# Altium PCB BMS.Pcb.PcbDoc (part 2 of 3) (continued)
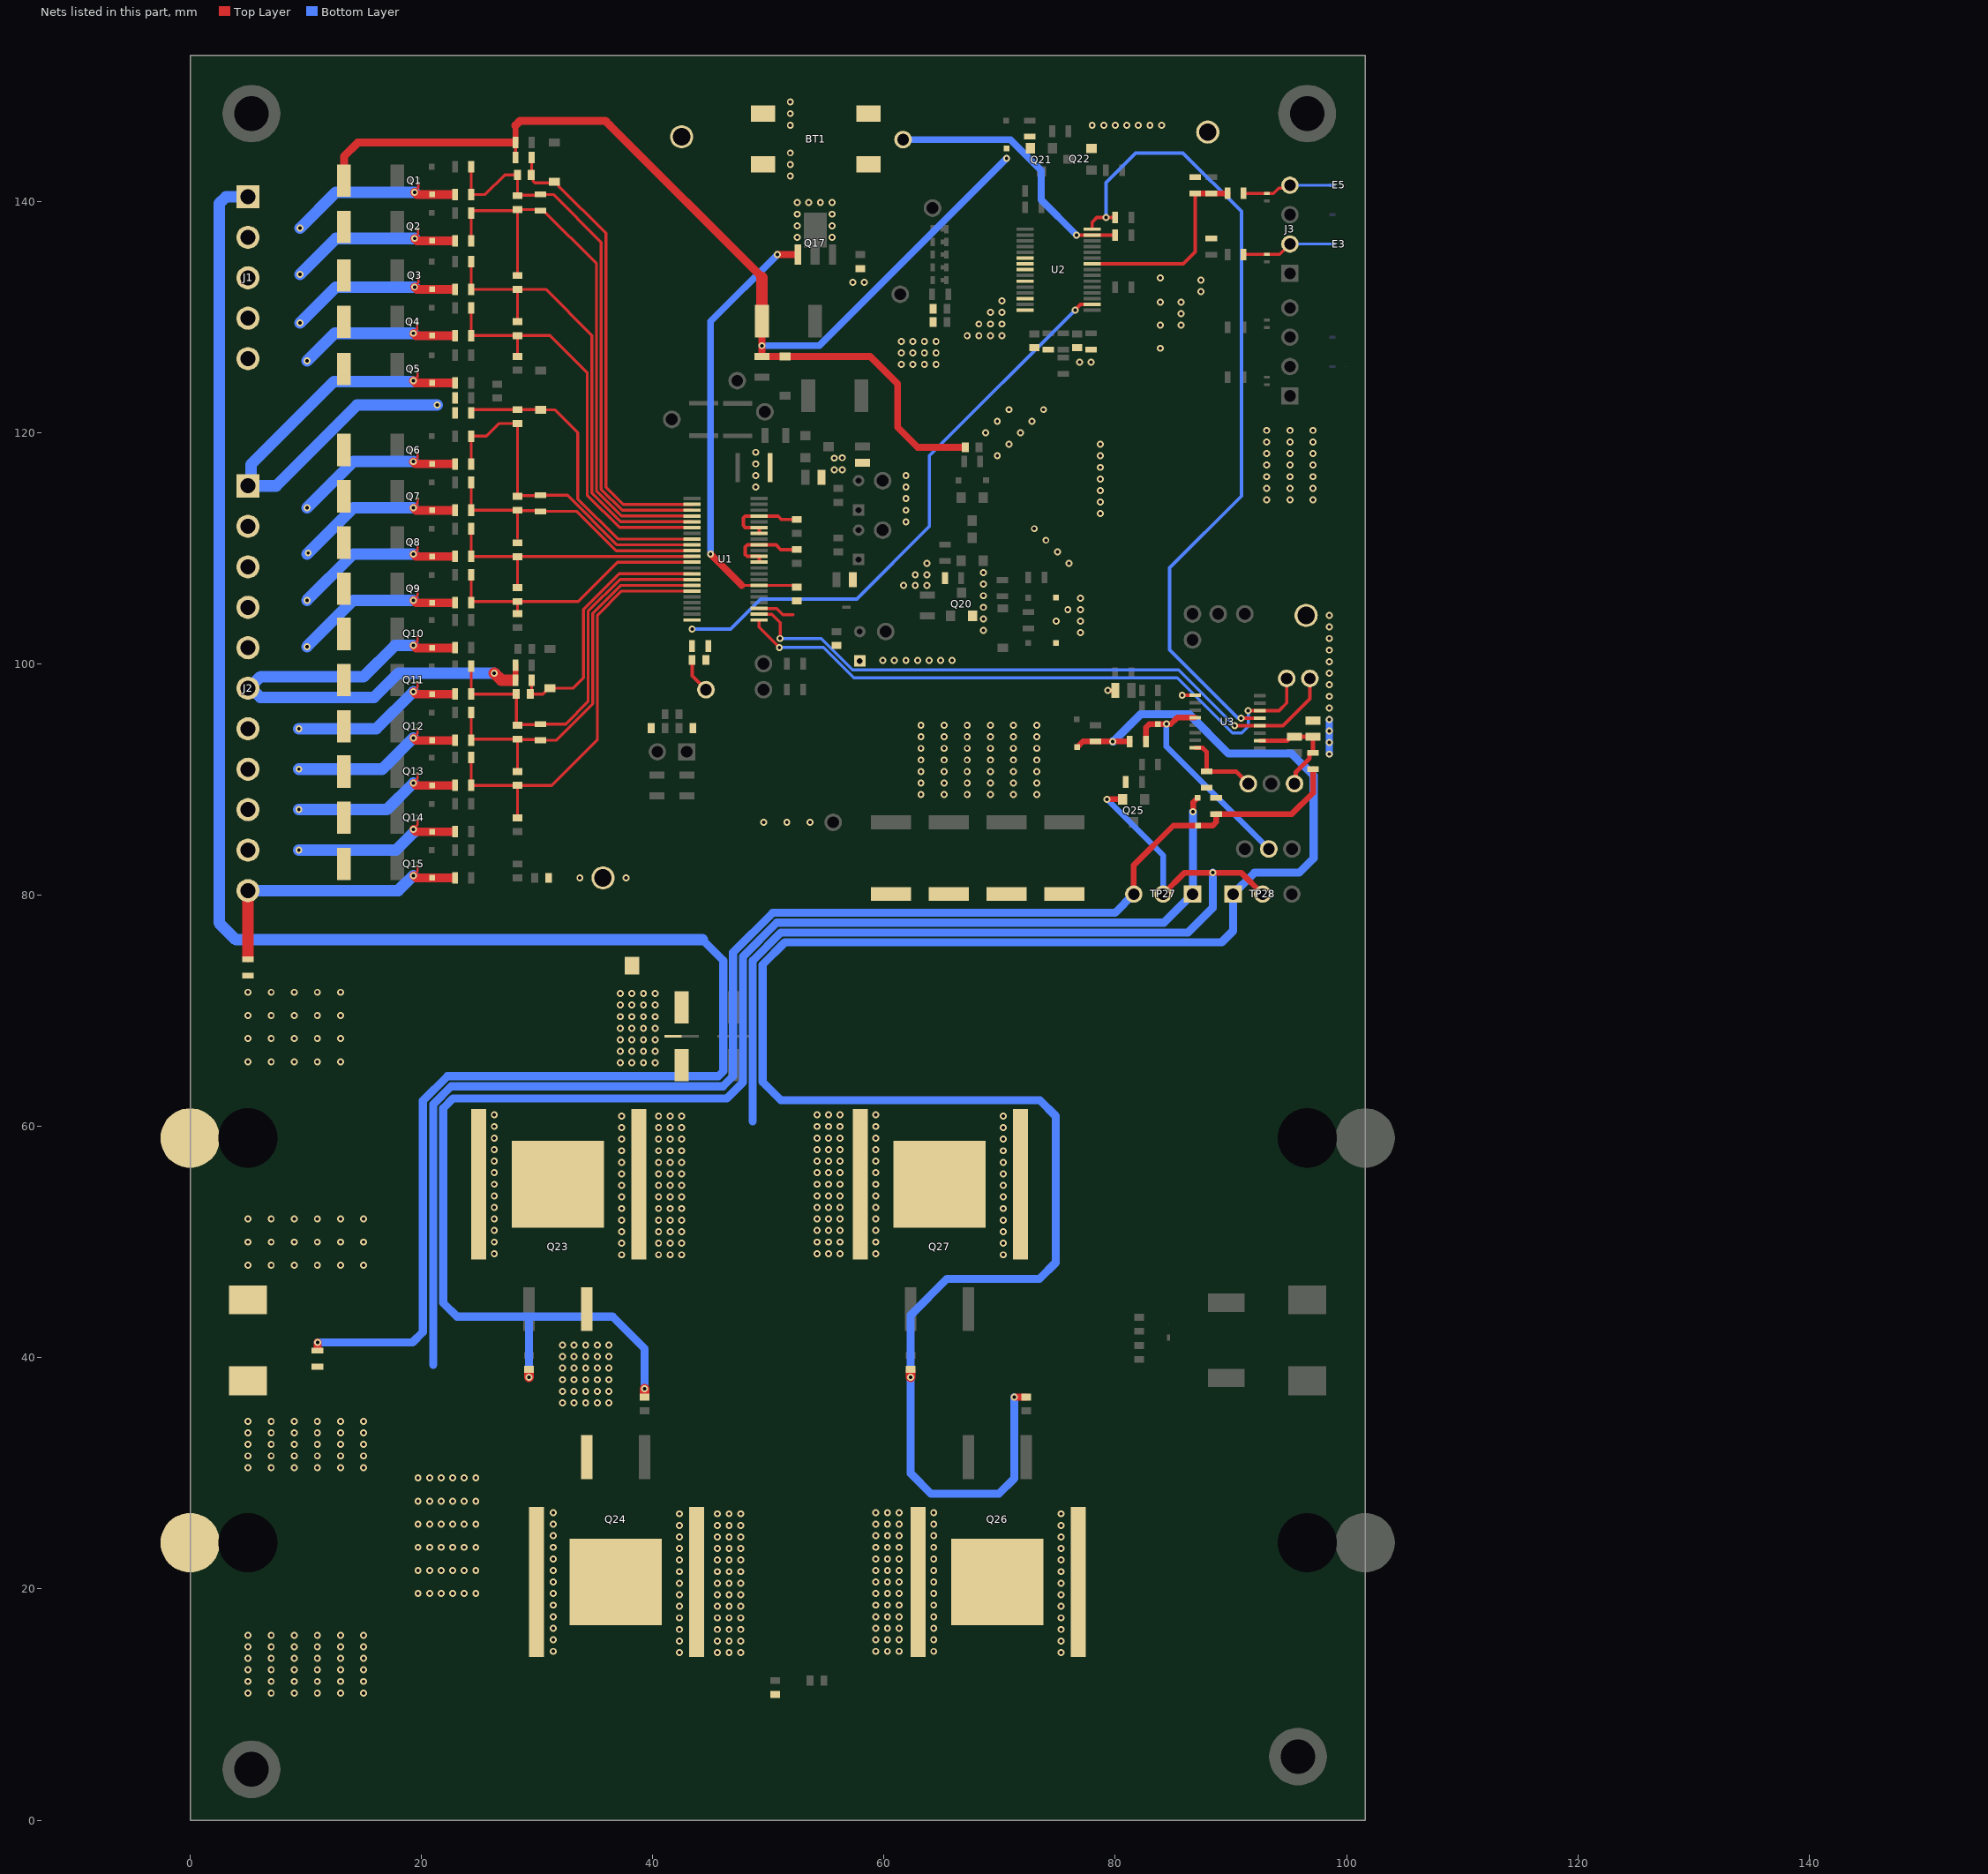
[diagram p2: the nets of this part, all layers, seen from the top]
## Part data (continued)
R52 R53 R54 R76 R79 R91 R92 R106: library part R_0OHM_1/10W_0603, "Zero Ohm Resistor, Jumper, 0603 [1608 Metric], Thick Film, 330 mW, 5 A, Surface Mount", Case Code (Metric)=1608, Case Code (Imperial)=0603, Manufacturer="Vishay Dale", Manufacturer Part Number=CRCW06030000Z0EAHP, Max Operating Temperature=155°C, Max Power Dissipation=250mW, Min Operating Temperature=-55°C, Package Quantity=5000, Ratings=AEC-Q200, Resistor Type="Thick Film", Supplier Part Number=71-CRCW06030000Z0EAH, Temperature Coefficient=0ppm/°C, Voltage Rating=75V, Case/Package=0603, Category="Chip SMD Resistors", ComponentLink1Description=https://datasheet.ciiva.com/8340/crcwhpe3-8340198.pdf?src-supplier=Avnet, ComponentLink1URL=https://datasheet.ciiva.com/8340/crcwhpe3-8340198.pdf?src-supplier=Avnet, ComponentLink2Description=https://datasheet.ciiva.com/16430/crcwhpe3-16430059.pdf?src-supplier=Future+Electronics, ComponentLink2URL=https://datasheet.ciiva.com/16430/crcwhpe3-16430059.pdf?src-supplier=Future+Electronics, ComponentLink3Description=https://datasheet.ciiva.com/2472/crcwhpe3-2472034.pdf?src-supplier=Digikey, ComponentLink3URL=https://datasheet.ciiva.com/2472/crcwhpe3-2472034.pdf?src-supplier=Digikey, ComponentLink4Description=https://datasheet.ciiva.com/2472/crcwhpe3-2472035.pdf?src-supplier=Digikey, ComponentLink4URL=https://datasheet.ciiva.com/2472/crcwhpe3-2472035.pdf?src-supplier=Digikey, ComponentLink5Description=https://datasheet.ciiva.com/2472/crcwhpe3-2472033.pdf?src-supplier=Digikey, ComponentLink5URL=https://datasheet.ciiva.com/2472/crcwhpe3-2472033.pdf?src-supplier=Digikey, ComponentLink6Description=https://datasheet.ciiva.com/28621/1912814-28621358.pdf?src-supplier=Element14, ComponentLink6URL=https://datasheet.ciiva.com/28621/1912814-28621358.pdf?src-supplier=Element14, Construction=Rectangular, Contact Plating=Tin, Depth=0.85mm, Features="Automotive AEC-Q200", Height=0.45mm, Lead Free=5697LeadFree, Length=1.6mm, Military Standard=Not, Number of Terminations=2, Packaging="Tape and Reel", Pins=2, Power Rating=250mW, Pricing="1=0,14, 10=0,068, 50=0,068, 100=0,03, 1000=0,021, 10000=0,014 (USD)", Radiation Hardening=No, Reach SVHC Compliant=Unknown, RoHS=Yes, RoHS Compliant=Yes, Series=CRCW-HP, Stock=1018937, Supplier=Mouser, Technology="THICK FILM", Termination=SMD/SMT, Voltage Rating (DC)=75V, Weight=7.1E-05oz, Width=0.033inch
R55: library part R_499K_%1_1/10W_0603, "SMD Chip Resistor, 499 kOhm, ± 1%, 100 mW, 0603 [1608 Metric], Thick Film, General Purpose", Manufacturer=Vishay, Supplier Part Number=71-CRCW0603-499K-E3, Category="Chip SMD Resistors", ComponentLink1Description=https://datasheet.ciiva.com/11811/0900766b80d98afc-11811204.pdf?src-supplier=Rs, ComponentLink1URL=https://datasheet.ciiva.com/11811/0900766b80d98afc-11811204.pdf?src-supplier=Rs, ComponentLink2Description=https://datasheet.ciiva.com/3257/dcrcwe3-3257647.pdf?src-supplier=Avnet, ComponentLink2URL=https://datasheet.ciiva.com/3257/dcrcwe3-3257647.pdf?src-supplier=Avnet, ComponentLink3Description=https://datasheet.ciiva.com/7168/1635184-7168517.pdf?src-supplier=Newark, ComponentLink3URL=https://datasheet.ciiva.com/7168/1635184-7168517.pdf?src-supplier=Newark, ComponentLink4Description=https://datasheet.ciiva.com/5551/dcrcwe3-109170-5551960.pdf?src-supplier=Mouser, ComponentLink4URL=https://datasheet.ciiva.com/5551/dcrcwe3-109170-5551960.pdf?src-supplier=Mouser, ComponentLink5Description=https://datasheet.ciiva.com/7792/125364-7792298.pdf?src-supplier=Element14, ComponentLink5URL=https://datasheet.ciiva.com/7792/125364-7792298.pdf?src-supplier=Element14, ComponentLink6Description=https://datasheet.ciiva.com/2465/dcrcwe3-2465609.pdf?src-supplier=Digikey, ComponentLink6URL=https://datasheet.ciiva.com/2465/dcrcwe3-2465609.pdf?src-supplier=Digikey, ComponentLink7Description=https://datasheet.ciiva.com/2465/dcrcwe3-2465610.pdf?src-supplier=Digikey, ComponentLink7URL=https://datasheet.ciiva.com/2465/dcrcwe3-2465610.pdf?src-supplier=Digikey, ComponentLink8Description=https://datasheet.ciiva.com/2465/dcrcwe3-2465611.pdf?src-supplier=Digikey, ComponentLink8URL=https://datasheet.ciiva.com/2465/dcrcwe3-2465611.pdf?src-supplier=Digikey, Lead Free=5697LeadFree, Manufacturer Part Number=CRCW0603499KFKEA, Pricing="1=0,1, 10=0,017, 50=0,017, 100=0,01, 1000=0,007, 10000=0,004 (USD)", RoHS=Yes, Stock=28370, Supplier=Mouser
R56 R57: library part R_100OHM_%1_1/8W_0805, "SMD Chip Resistor, 100 Ohm, ± 1%, 125 mW, 0805 [2012 Metric], Thick Film, General Purpose", Case Code (Metric)=2012, Case Code (Imperial)=0805, Manufacturer="Vishay Dale", Max Operating Temperature=155°C, Max Power Dissipation=125mW, Min Operating Temperature=-55°C, Package Quantity=10, Resistance Tolerance=1%, Resistor Type="Thick Film", Supplier Part Number=71-CRCW0805-100-E3, Temperature Coefficient=100ppm/°C, Voltage Rating=150V, Case/Package=0805, Category="Chip SMD Resistors", ComponentLink1Description=https://datasheet.ciiva.com/11809/0900766b80d98b26-11809126.pdf?src-supplier=Rs, ComponentLink1URL=https://datasheet.ciiva.com/11809/0900766b80d98b26-11809126.pdf?src-supplier=Rs, ComponentLink2Description=https://datasheet.ciiva.com/5546/dcrcwe3-109170-5546700.pdf?src-supplier=Mouser, ComponentLink2URL=https://datasheet.ciiva.com/5546/dcrcwe3-109170-5546700.pdf?src-supplier=Mouser, ComponentLink3Description=https://datasheet.ciiva.com/2495/dcrcwe3-2495843.pdf?src-supplier=Digikey, ComponentLink3URL=https://datasheet.ciiva.com/2495/dcrcwe3-2495843.pdf?src-supplier=Digikey, ComponentLink4Description=https://datasheet.ciiva.com/2495/dcrcwe3-2495844.pdf?src-supplier=Digikey, ComponentLink4URL=https://datasheet.ciiva.com/2495/dcrcwe3-2495844.pdf?src-supplier=Digikey, ComponentLink5Description=https://datasheet.ciiva.com/2495/dcrcwe3-2495842.pdf?src-supplier=Digikey, ComponentLink5URL=https://datasheet.ciiva.com/2495/dcrcwe3-2495842.pdf?src-supplier=Digikey, ComponentLink6Description=https://datasheet.ciiva.com/16760/70201119-16760940.pdf?src-supplier=Allied+Electronics, ComponentLink6URL=https://datasheet.ciiva.com/16760/70201119-16760940.pdf?src-supplier=Allied+Electronics, ComponentLink7Description=https://datasheet.ciiva.com/16777/70201119-16777129.pdf?src-supplier=Allied+Electronics, ComponentLink7URL=https://datasheet.ciiva.com/16777/70201119-16777129.pdf?src-supplier=Allied+Electronics, ComponentLink8Description=https://datasheet.ciiva.com/8337/dcrcwe3-8337753.pdf?src-supplier=Avnet, ComponentLink8URL=https://datasheet.ciiva.com/8337/dcrcwe3-8337753.pdf?src-supplier=Avnet, ComponentLink9Description=https://datasheet.ciiva.com/3258/dcrcwe3-3258011.pdf?src-supplier=Avnet, ComponentLink9URL=https://datasheet.ciiva.com/3258/dcrcwe3-3258011.pdf?src-supplier=Avnet, ComponentLink10Description=https://datasheet.ciiva.com/15159/getdatasheetpartid-90825-15159895.pdf?src-supplier=Verical, ComponentLink10URL=https://datasheet.ciiva.com/15159/getdatasheetpartid-90825-15159895.pdf?src-supplier=Verical, Construction=Rectangular, Contact Plating=Tin, Depth=1.25mm, Features="Automotive AEC-Q200", Height=0.45mm, Lead Free=5697LeadFree, Length=2mm, Manufacturer Part Number=CRCW0805100RFKEA, Military Standard=Not, Number of Terminations=2, Packaging="Tape and Reel", Pins=2NUMBER, Power Rating=125mW, Pricing="1=0,1, 10=0,025, 50=0,025, 100=0,015, 1000=0,011, 10000=0,006 (USD)", Radiation Hardening=No, Reach SVHC Compliant=Unknown, RoHS=Yes, RoHS Compliant=Yes, Series=CRCW, Stock=528495, Supplier=Mouser, Technology="THICK FILM", Termination=SMD/SMT, Tolerance=1%, Voltage Rating (DC)=150V, Weight=0.000194oz, Width=0.049inch
R59 R61 R67: library part R_100K_%1_1/8W_0805, "SMD Chip Resistor, 100 kOhm, ± 1%, 125 mW, 0805 [2012 Metric], Thick Film, General Purpose", Case Code (Metric)=2012, Case Code (Imperial)=0805, Manufacturer=Vishay, Max Operating Temperature=155°C, Max Power Dissipation=125mW, Min Operating Temperature=-55°C, Package Quantity=5000, Ratings=AEC-Q200, Resistance Tolerance=1%, Resistor Type="Thick Film", Supplier Part Number=71-CRCW0805-100K-E3, Temperature Coefficient=100ppm/°C, Voltage Rating=150V, Case/Package=0805, Category="Chip SMD Resistors", ComponentLink1Description=https://datasheet.ciiva.com/7777/1697337-7777349.pdf?src-supplier=Element14, ComponentLink1URL=https://datasheet.ciiva.com/7777/1697337-7777349.pdf?src-supplier=Element14, Construction=Rectangular, Contact Plating=Tin, Depth=1.25mm, Features="Automotive AEC-Q200", Height=0.45mm, Lead Free=5697LeadFree, Length=2mm, Manufacturer Part Number=CRCW0805100KFKEA, Military Standard=Not, Number of Terminations=2, Packaging="Tape and Reel", Pins=2, Power Rating=125mW, Pricing="1=0,1, 10=0,025, 50=0,025, 100=0,015, 1000=0,011, 10000=0,007 (USD)", Radiation Hardening=No, Reach SVHC Compliant=Unknown, RoHS=Yes, RoHS Compliant=Yes, Series=CRCW, Stock=147322, Supplier=Mouser, Technology="THICK FILM", Termination=SMD/SMT, Tolerance=1%, Voltage Rating (DC)=150V, Weight=0.000194oz, Width=1.25mm
R62: library part R_1K_%5_3/4W_2010, "Res Thick Film 2010 1K Ohm 5% 0.75W(3/4W) ±200ppm/°C Pad SMD Automotive T/R", Manufacturer="Vishay Dale", Supplier Part Number=71-CRCW2010J-1K-E3, Category="Chip SMD Resistors", ComponentLink1Description=https://datasheet.ciiva.com/7695/1778090-7695006.pdf?src-supplier=Element14, ComponentLink1URL=https://datasheet.ciiva.com/7695/1778090-7695006.pdf?src-supplier=Element14, ComponentLink2Description=https://datasheet.ciiva.com/2476/dcrcwe3-2476404.pdf?src-supplier=Digikey, ComponentLink2URL=https://datasheet.ciiva.com/2476/dcrcwe3-2476404.pdf?src-supplier=Digikey, ComponentLink3Description=https://datasheet.ciiva.com/2476/dcrcwe3-2476405.pdf?src-supplier=Digikey, ComponentLink3URL=https://datasheet.ciiva.com/2476/dcrcwe3-2476405.pdf?src-supplier=Digikey, ComponentLink4Description=https://datasheet.ciiva.com/2476/dcrcwe3-2476406.pdf?src-supplier=Digikey, ComponentLink4URL=https://datasheet.ciiva.com/2476/dcrcwe3-2476406.pdf?src-supplier=Digikey, ComponentLink5Description=https://datasheet.ciiva.com/9112/dcrcwe3-9112279.pdf?src-supplier=Avnet, ComponentLink5URL=https://datasheet.ciiva.com/9112/dcrcwe3-9112279.pdf?src-supplier=Avnet, ComponentLink6Description=https://datasheet.ciiva.com/22868/70201119-22868952.pdf?src-supplier=Allied+Electronics, ComponentLink6URL=https://datasheet.ciiva.com/22868/70201119-22868952.pdf?src-supplier=Allied+Electronics, ComponentLink7Description=https://datasheet.ciiva.com/48527/dcrcwe3-48527642.pdf?src-supplier=Avnet, ComponentLink7URL=https://datasheet.ciiva.com/48527/dcrcwe3-48527642.pdf?src-supplier=Avnet, Manufacturer Part Number=CRCW20101K00JNEF, Pricing="1=0,26, 10=0,093, 50=0,093, 100=0,059, 1000=0,045, 10000=0,034 (USD)", RoHS=Yes, Stock=11217, Supplier=Mouser
R63: library part R_750OHM_%5_3/4W_2010, "SMD Chip Resistor, 750 Ohm, ± 5%, 750 mW, 2010 [5025 Metric], Thick Film, General Purpose", Case Code (Metric)=5025, Case Code (Imperial)=2010, Manufacturer="Vishay Dale", Max Operating Temperature=155°C, Max Power Dissipation=750mW, Min Operating Temperature=-55°C, Package Quantity=4000, Ratings=AEC-Q200, Supplier Part Number=71-CRCW2010750RJNEF, Temperature Coefficient=200ppm/°C, Tolerance=5%, Voltage Rating=400V, Case/Package=2010, Category="Chip SMD Resistors", ComponentLink1Description=https://datasheet.ciiva.com/2476/dcrcwe3-2476554.pdf?src-supplier=Digikey, ComponentLink1URL=https://datasheet.ciiva.com/2476/dcrcwe3-2476554.pdf?src-supplier=Digikey, ComponentLink2Description=https://datasheet.ciiva.com/2476/dcrcwe3-2476555.pdf?src-supplier=Digikey, ComponentLink2URL=https://datasheet.ciiva.com/2476/dcrcwe3-2476555.pdf?src-supplier=Digikey, ComponentLink3Description=https://datasheet.ciiva.com/2476/dcrcwe3-2476556.pdf?src-supplier=Digikey, ComponentLink3URL=https://datasheet.ciiva.com/2476/dcrcwe3-2476556.pdf?src-supplier=Digikey, ComponentLink4Description=https://datasheet.ciiva.com/8922/dcrcwe3-8922007.pdf?src-supplier=Avnet, ComponentLink4URL=https://datasheet.ciiva.com/8922/dcrcwe3-8922007.pdf?src-supplier=Avnet, ComponentLink5Description=https://datasheet.ciiva.com/16389/dcrcwe3-16389883.pdf?src-supplier=Future+Electronics, ComponentLink5URL=https://datasheet.ciiva.com/16389/dcrcwe3-16389883.pdf?src-supplier=Future+Electronics, ComponentLink6Description=https://datasheet.ciiva.com/5552/dcrcwe3-109170-5552367.pdf?src-supplier=Mouser, ComponentLink6URL=https://datasheet.ciiva.com/5552/dcrcwe3-109170-5552367.pdf?src-supplier=Mouser, Contact Plating=Tin, Features="Automotive AEC-Q200", Height=0.6mm, Lead Free="Lead Free", Length=5mm, Manufacturer Part Number=CRCW2010750RJNEF, Number of Terminations=2, Packaging="Tape and Reel", Power Rating=750mW, Pricing="1=0,26, 10=0,091, 50=0,091, 100=0,058, 1000=0,048, 10000=0,034 (USD)", Radiation Hardening=No, RoHS=Yes, RoHS Compliant=Yes, Series=CRCW, Stock=6201, Supplier=Mouser, Termination=SMD/SMT, Voltage Rating (DC)=400V, Weight=0.001372oz, Width=2.5mm
R64: library part R_51K_%5_1/10W_0603, "SMD Chip Resistor, 51 kOhm, ± 5%, 100 mW, 0603 [1608 Metric], Thick Film, General Purpose", Case Code (Metric)=1608, Case Code (Imperial)=0603, Manufacturer="Vishay Dale", Max Operating Temperature=155°C, Max Power Dissipation=100mW, Min Operating Temperature=-55°C, Package Quantity=1, Resistance Tolerance=5%, Resistor Type="Thick Film", Supplier Part Number=71-CRCW0603J-51K-E3, Temperature Coefficient=200ppm/°C, Voltage Rating=75V, Case/Package=0603, Category="Chip SMD Resistors", ComponentLink1Description=https://datasheet.ciiva.com/2462/dcrcwe3-2462332.pdf?src-supplier=Digikey, ComponentLink1URL=https://datasheet.ciiva.com/2462/dcrcwe3-2462332.pdf?src-supplier=Digikey, ComponentLink2Description=https://datasheet.ciiva.com/2462/dcrcwe3-2462333.pdf?src-supplier=Digikey, ComponentLink2URL=https://datasheet.ciiva.com/2462/dcrcwe3-2462333.pdf?src-supplier=Digikey, ComponentLink3Description=https://datasheet.ciiva.com/2462/dcrcwe3-2462331.pdf?src-supplier=Digikey, ComponentLink3URL=https://datasheet.ciiva.com/2462/dcrcwe3-2462331.pdf?src-supplier=Digikey, ComponentLink4Description=https://datasheet.ciiva.com/16759/70201119-16759035.pdf?src-supplier=Allied+Electronics, ComponentLink4URL=https://datasheet.ciiva.com/16759/70201119-16759035.pdf?src-supplier=Allied+Electronics, ComponentLink5Description=https://datasheet.ciiva.com/5542/dcrcwe3-109170-5542427.pdf?src-supplier=Mouser, ComponentLink5URL=https://datasheet.ciiva.com/5542/dcrcwe3-109170-5542427.pdf?src-supplier=Mouser, ComponentLink6Description=https://datasheet.ciiva.com/8337/dcrcwe3-8337247.pdf?src-supplier=Avnet, ComponentLink6URL=https://datasheet.ciiva.com/8337/dcrcwe3-8337247.pdf?src-supplier=Avnet, Construction=Rectangular, Contact Plating=Tin, Depth=0.85mm, Features="Automotive AEC-Q200", Height=0.45mm, Lead Free=5697LeadFree, Length=1.55mm, Manufacturer Part Number=CRCW060351K0JNEA, Military Standard=Not, Number of Terminations=2, Packaging="Tape and Reel", Pins=2, Power Rating=100mW, Pricing="1=0,1, 10=0,016, 50=0,016, 100=0,009, 1000=0,007, 10000=0,004 (USD)", Radiation Hardening=No, Reach SVHC Compliant=Unknown, RoHS=Yes, RoHS Compliant=Yes, Series=CRCW, Stock=13555, Supplier=Mouser, Technology="THICK FILM", Termination=SMD/SMT, Tolerance=5%, Voltage Rating (DC)=75V, Weight=7.1E-05oz, Width=0.033inch, Working Voltage=75V
R65 R69 R94 R101 R107: library part R_10M_%1_1/10W_0603, "SMD Chip Resistor, 10 MOhm, ± 1%, 100 mW, 0603 [1608 Metric], Thick Film, General Purpose", Case Code (Metric)=1608, Case Code (Imperial)=0603, Manufacturer=Vishay, Max Operating Temperature=155°C, Max Power Dissipation=100mW, Min Operating Temperature=-55°C, Package Quantity=5000, Ratings=AEC-Q200, Resistance Tolerance=1%, Resistor Type="Thick Film", Supplier Part Number=71-CRCW0603-10M-E3, Temperature Coefficient=100ppm/°C, Voltage Rating=75V, Case/Package=0603, Category="Chip SMD Resistors", ComponentLink1Description=https://datasheet.ciiva.com/11808/0900766b80d98afc-11808549.pdf?src-supplier=Rs, ComponentLink1URL=https://datasheet.ciiva.com/11808/0900766b80d98afc-11808549.pdf?src-supplier=Rs, ComponentLink2Description=https://datasheet.ciiva.com/7673/1720486-7673454.pdf?src-supplier=Element14, ComponentLink2URL=https://datasheet.ciiva.com/7673/1720486-7673454.pdf?src-supplier=Element14, ComponentLink3Description=https://datasheet.ciiva.com/26314/fld-crcw-e3-data-en-26314629.pdf?src-supplier=Distrelec, ComponentLink3URL=https://datasheet.ciiva.com/26314/fld-crcw-e3-data-en-26314629.pdf?src-supplier=Distrelec, ComponentLink4Description=https://datasheet.ciiva.com/7673/1697337-7673286.pdf?src-supplier=Element14, ComponentLink4URL=https://datasheet.ciiva.com/7673/1697337-7673286.pdf?src-supplier=Element14, ComponentLink5Description=https://datasheet.ciiva.com/16786/70201119-16786489.pdf?src-supplier=Allied+Electronics, ComponentLink5URL=https://datasheet.ciiva.com/16786/70201119-16786489.pdf?src-supplier=Allied+Electronics, ComponentLink6Description=https://datasheet.ciiva.com/5543/dcrcwe3-109170-5543450.pdf?src-supplier=Mouser, ComponentLink6URL=https://datasheet.ciiva.com/5543/dcrcwe3-109170-5543450.pdf?src-supplier=Mouser, ComponentLink7Description=https://datasheet.ciiva.com/3256/dcrcwe3-3256952.pdf?src-supplier=Avnet, ComponentLink7URL=https://datasheet.ciiva.com/3256/dcrcwe3-3256952.pdf?src-supplier=Avnet, ComponentLink8Description=https://datasheet.ciiva.com/16200/dcrcwe3-16200110.pdf?src-supplier=Future+Electronics, ComponentLink8URL=https://datasheet.ciiva.com/16200/dcrcwe3-16200110.pdf?src-supplier=Future+Electronics, Construction=Rectangular, Contact Plating=Tin, Depth=0.85mm, Features="Automotive AEC-Q200", Height=0.45mm, Lead Free=5697LeadFree, Length=1.55mm, Manufacturer Part Number=CRCW060310M0FKEA, Military Standard=Not, Number of Terminations=2, Packaging="Tape and Reel", Power Rating=100mW, Pricing="1=0,1, 10=0,017, 50=0,017, 100=0,01, 1000=0,007, 10000=0,003 (USD)", Radiation Hardening=No, Reach SVHC Compliant=Unknown, RoHS=Yes, RoHS Compliant=Yes, Series=CRCW, Stock=48064, Supplier=Mouser, Technology="THICK FILM", Termination=SMD/SMT, Tolerance=1%, Voltage Rating (DC)=75V, Weight=7.1E-05oz, Width=0.85mm, Working Voltage=75V
R70 R78: library part R_1M_%5_1/10W_0603, "SMD Chip Resistor, 1 MOhm, ± 5%, 100 mW, 0603 [1608 Metric], Thick Film, General Purpose", Case Code (Metric)=1608, Case Code (Imperial)=0603, Manufacturer="Vishay Dale", Max Operating Temperature=155°C, Max Power Dissipation=100mW, Min Operating Temperature=-55°C, Package Quantity=5000, Ratings=AEC-Q200, Resistance Tolerance=5%, Resistor Type="Thick Film", Supplier Part Number=71-CRCW0603J-1.0M-E3, Temperature Coefficient=200ppm/°C, Voltage Rating=75V, Case/Package=0603, Category="Chip SMD Resistors", ComponentLink1Description=https://datasheet.ciiva.com/2462/dcrcwe3-2462062.pdf?src-supplier=Digikey, ComponentLink1URL=https://datasheet.ciiva.com/2462/dcrcwe3-2462062.pdf?src-supplier=Digikey, ComponentLink2Description=https://datasheet.ciiva.com/2462/dcrcwe3-2462063.pdf?src-supplier=Digikey, ComponentLink2URL=https://datasheet.ciiva.com/2462/dcrcwe3-2462063.pdf?src-supplier=Digikey, ComponentLink3Description=https://datasheet.ciiva.com/2462/dcrcwe3-2462061.pdf?src-supplier=Digikey, ComponentLink3URL=https://datasheet.ciiva.com/2462/dcrcwe3-2462061.pdf?src-supplier=Digikey, ComponentLink4Description=https://datasheet.ciiva.com/5546/dcrcwe3-109170-5546629.pdf?src-supplier=Mouser, ComponentLink4URL=https://datasheet.ciiva.com/5546/dcrcwe3-109170-5546629.pdf?src-supplier=Mouser, ComponentLink5Description=https://datasheet.ciiva.com/3257/dcrcwe3-3257206.pdf?src-supplier=Avnet, ComponentLink5URL=https://datasheet.ciiva.com/3257/dcrcwe3-3257206.pdf?src-supplier=Avnet, ComponentLink6Description=https://datasheet.ciiva.com/16351/dcrcwe3-16351110.pdf?src-supplier=Future+Electronics, ComponentLink6URL=https://datasheet.ciiva.com/16351/dcrcwe3-16351110.pdf?src-supplier=Future+Electronics, ComponentLink7Description=https://datasheet.ciiva.com/3257/dcrcwe3-3257205.pdf?src-supplier=Avnet, ComponentLink7URL=https://datasheet.ciiva.com/3257/dcrcwe3-3257205.pdf?src-supplier=Avnet, Construction=Rectangular, Contact Plating=Tin, Depth=0.85mm, Features="Automotive AEC-Q200", Height=0.45mm, Lead Free=5697LeadFree, Length=1.55mm, Manufacturer Part Number=CRCW06031M00JNEA, Military Standard=Not, Number of Terminations=2, Packaging="Tape and Reel", Pins=2, Power Rating=100mW, Pricing="1=0,1, 10=0,014, 50=0,014, 100=0,009, 1000=0,007, 10000=0,003 (USD)", Radiation Hardening=No, Reach SVHC Compliant=Unknown, RoHS=Yes, RoHS Compliant=Yes, Series=CRCW, Stock=24009, Supplier=Mouser, Termination=SMD/SMT, Tolerance=5%, Weight=7.1E-05oz, Width=0.85mm
R73 R75 R105: library part R_100OHM_%5_1/10W_0603, "SMD Chip Resistor, 100 Ohm, ± 5%, 100 mW, 0603 [1608 Metric], Thick Film, General Purpose", Case Code (Metric)=1608, Case Code (Imperial)=0603, Manufacturer="Vishay Dale", Max Operating Temperature=155°C, Max Power Dissipation=100mW, Min Operating Temperature=-55°C, Package Quantity=5000, Ratings=AEC-Q200, Resistance Tolerance=5%, Resistor Type="Thick Film", Supplier Part Number=71-CRCW0603J-100-E3, Temperature Coefficient=200ppm/°C, Voltage Rating=75V, Case/Package=0603, Category="Chip SMD Resistors", ComponentLink1Description=https://datasheet.ciiva.com/26944/getdatasheetpartid-45824-26944476.pdf?src-supplier=Verical, ComponentLink1URL=https://datasheet.ciiva.com/26944/getdatasheetpartid-45824-26944476.pdf?src-supplier=Verical, ComponentLink2Description=https://datasheet.ciiva.com/2461/dcrcwe3-2461977.pdf?src-supplier=Digikey, ComponentLink2URL=https://datasheet.ciiva.com/2461/dcrcwe3-2461977.pdf?src-supplier=Digikey, ComponentLink3Description=https://datasheet.ciiva.com/16755/70201119-16755598.pdf?src-supplier=Allied+Electronics, ComponentLink3URL=https://datasheet.ciiva.com/16755/70201119-16755598.pdf?src-supplier=Allied+Electronics, ComponentLink4Description=https://datasheet.ciiva.com/16214/dcrcwe3-16214053.pdf?src-supplier=Future+Electronics, ComponentLink4URL=https://datasheet.ciiva.com/16214/dcrcwe3-16214053.pdf?src-supplier=Future+Electronics, ComponentLink5Description=https://datasheet.ciiva.com/28621/1912744-28621371.pdf?src-supplier=Element14, ComponentLink5URL=https://datasheet.ciiva.com/28621/1912744-28621371.pdf?src-supplier=Element14, ComponentLink6Description=https://datasheet.ciiva.com/2461/dcrcwe3-2461978.pdf?src-supplier=Digikey, ComponentLink6URL=https://datasheet.ciiva.com/2461/dcrcwe3-2461978.pdf?src-supplier=Digikey, ComponentLink7Description=https://datasheet.ciiva.com/2461/dcrcwe3-2461979.pdf?src-supplier=Digikey, ComponentLink7URL=https://datasheet.ciiva.com/2461/dcrcwe3-2461979.pdf?src-supplier=Digikey, ComponentLink8Description=https://datasheet.ciiva.com/16786/70201119-16786717.pdf?src-supplier=Allied+Electronics, ComponentLink8URL=https://datasheet.ciiva.com/16786/70201119-16786717.pdf?src-supplier=Allied+Electronics, Construction=Rectangular, Contact Plating=Tin, Depth=0.85mm, Features="Automotive AEC-Q200", Height=0.45mm, Lead Free=5697LeadFree, Length=1.55mm, Manufacturer Part Number=CRCW0603100RJNEA, Military Standard=Not, Number of Terminations=2, Packaging="Tape and Reel", Power Rating=100mW, Pricing="1=0,1, 10=0,028, 50=0,028, 100=0,011, 1000=0,005, 10000=0,003 (USD)", Radiation Hardening=No, Reach SVHC Compliant=Unknown, RoHS=Yes, RoHS Compliant=Yes, Series=CRCW, Stock=90610, Supplier=Mouser, Termination=SMD/SMT, Tolerance=5%, Weight=7.1E-05oz, Width=0.85mm
R74 R77 R82 R83: library part R_300K_%0.1_1/10W_0603, "Res Thin Film 0603 300K Ohm 0.1% 0.1W(1/10W) ±25ppm/C Sulfur Resistant Pad SMD Automotive T/R", Manufacturer=Susumu, Supplier Part Number=754-RG1608P-304-B-T5, Category="Chip SMD Resistors", ComponentLink1Description=https://datasheet.ciiva.com/5625/rg-rm-rgh-datasheet-5625690.pdf?src-supplier=Mouser, ComponentLink1URL=https://datasheet.ciiva.com/5625/rg-rm-rgh-datasheet-5625690.pdf?src-supplier=Mouser, ComponentLink2Description=https://datasheet.ciiva.com/17424/rg-rm-rgh-datasheet-17424710.pdf?src-supplier=Future+Electronics, ComponentLink2URL=https://datasheet.ciiva.com/17424/rg-rm-rgh-datasheet-17424710.pdf?src-supplier=Future+Electronics, Manufacturer Part Number=RG1608P-304-B-T5, Pricing="1=0,21, 10=0,119, 50=0,119, 100=0,107, 1000=0,069, 10000=0,051 (USD)", RoHS=Yes, Stock=20648, Supplier=Mouser
R80 R86: library part R_100K_%5_1/10W_0603, "SMD Chip Resistor, 100 kOhm, ± 5%, 100 mW, 0603 [1608 Metric], Thick Film, General Purpose", Case Code (Metric)=1608, Case Code (Imperial)=0603, Manufacturer=Vishay, Max Operating Temperature=155°C, Max Power Dissipation=100mW, Min Operating Temperature=-55°C, Package Quantity=5000, Ratings=AEC-Q200, Resistance Tolerance=5%, Resistor Type="Thick Film", Supplier Part Number=71-CRCW0603J-100K-E3, Temperature Coefficient=200ppm/°C, Voltage Rating=75V, Case/Package=0603, Category="Chip SMD Resistors", ComponentLink1Description=https://datasheet.ciiva.com/5852/1533075-5852048.pdf?src-supplier=Farnell, ComponentLink1URL=https://datasheet.ciiva.com/5852/1533075-5852048.pdf?src-supplier=Farnell, ComponentLink2Description=https://datasheet.ciiva.com/16783/70201119-16783119.pdf?src-supplier=Allied+Electronics, ComponentLink2URL=https://datasheet.ciiva.com/16783/70201119-16783119.pdf?src-supplier=Allied+Electronics, ComponentLink3Description=https://datasheet.ciiva.com/7777/1533075-7777272.pdf?src-supplier=Element14, ComponentLink3URL=https://datasheet.ciiva.com/7777/1533075-7777272.pdf?src-supplier=Element14, ComponentLink4Description=https://datasheet.ciiva.com/46441/1533075-46441621.pdf?src-supplier=Element14, ComponentLink4URL=https://datasheet.ciiva.com/46441/1533075-46441621.pdf?src-supplier=Element14, ComponentLink5Description=https://datasheet.ciiva.com/28621/1747939-28621367.pdf?src-supplier=Element14, ComponentLink5URL=https://datasheet.ciiva.com/28621/1747939-28621367.pdf?src-supplier=Element14, ComponentLink6Description=https://datasheet.ciiva.com/2461/dcrcwe3-2461981.pdf?src-supplier=Digikey, ComponentLink6URL=https://datasheet.ciiva.com/2461/dcrcwe3-2461981.pdf?src-supplier=Digikey, ComponentLink7Description=https://datasheet.ciiva.com/2461/dcrcwe3-2461982.pdf?src-supplier=Digikey, ComponentLink7URL=https://datasheet.ciiva.com/2461/dcrcwe3-2461982.pdf?src-supplier=Digikey, ComponentLink8Description=https://datasheet.ciiva.com/2461/dcrcwe3-2461980.pdf?src-supplier=Digikey, ComponentLink8URL=https://datasheet.ciiva.com/2461/dcrcwe3-2461980.pdf?src-supplier=Digikey, ComponentLink9Description=https://datasheet.ciiva.com/16767/70201119-16767110.pdf?src-supplier=Allied+Electronics, ComponentLink9URL=https://datasheet.ciiva.com/16767/70201119-16767110.pdf?src-supplier=Allied+Electronics, ComponentLink10Description=https://datasheet.ciiva.com/26820/getdatasheetpartid-30055-26820934.pdf?src-supplier=Verical, ComponentLink10URL=https://datasheet.ciiva.com/26820/getdatasheetpartid-30055-26820934.pdf?src-supplier=Verical, Construction=Rectangular, Contact Plating=Tin, Depth=0.85mm, Features="Automotive AEC-Q200", Height=0.45mm, Lead Free=5697LeadFree, Length=1.55mm, Manufacturer Part Number=CRCW0603100KJNEA, Military Standard=Not, Mounting Technology="Surface Mount", Number of Terminations=2, Packaging="Tape and Reel", Pins=2, Power Rating=100mW, Pricing="1=0,1, 10=0,016, 50=0,016, 100=0,009, 1000=0,007, 10000=0,003 (USD)", Radiation Hardening=No, Reach SVHC Compliant=Unknown, RoHS=Yes, RoHS Compliant=Yes, Series=CRCW, Stock=65417, Supplier=Mouser, Technology="THICK FILM", Termination=SMD/SMT, Tolerance=5%, Weight=7.1E-05oz, Width=0.85mm, Working Voltage=75V
R81 R84: library part R_10K_%0.1_1/10W_0603, "Res Thin Film 0603 10K Ohm 0.1% 0.1W(1/10W) ±25ppm/C Sulfur Resistant Pad SMD Automotive T/R", Case Code (Metric)=1608, Case Code (Imperial)=0603, Manufacturer=Susumu, Max Operating Temperature=155°C, Max Power Dissipation=100mW, Min Operating Temperature=-55°C, Supplier Part Number=6000172, Temperature Coefficient=25ppm/°C, Tolerance=0.1%, Voltage Rating=100V, Voltage Rating (DC)=75V, Case/Package=0603, Category="Chip SMD Resistors", ComponentLink1Description=https://datasheet.ciiva.com/26874/getdatasheetpartid-697968-26874044.pdf?src-supplier=Verical, ComponentLink1URL=https://datasheet.ciiva.com/26874/getdatasheetpartid-697968-26874044.pdf?src-supplier=Verical, ComponentLink2Description=https://datasheet.ciiva.com/5624/rg-rm-rgh-datasheet-5624714.pdf?src-supplier=Mouser, ComponentLink2URL=https://datasheet.ciiva.com/5624/rg-rm-rgh-datasheet-5624714.pdf?src-supplier=Mouser, Features="Automotive AEC-Q200,Anti-Sulfur", Height=0.4mm, Lead Free=5697LeadFree, Length=1.6mm, Manufacturer Part Number=RG1608P-103-B-T5, Number of Terminations=2, Packaging="Tape and Reel", Power Rating=100mW, Pricing="5000=0,0666, 10000=0,065, 15000=0,0514, 20000=0,0634, 25000=0,0629, 75000=0,0599 (USD)", RoHS=Yes, RoHS Compliant=Yes, Series=RG, Stock=235000, Supplier="Future Electronics", Termination=SMD/SMT, Weight=7.1E-05oz, Width=0.8mm
R85: library part R_220K_%5_1/10W_0603, "SMD Chip Resistor, 220 kOhm, ± 5%, 100 mW, 0603 [1608 Metric], Thick Film, General Purpose", Manufacturer="Vishay Dale", Supplier Part Number=71-CRCW0603J-220K-E3, Voltage Rating (DC)=75V, Category="Chip SMD Resistors", ComponentLink1Description=https://datasheet.ciiva.com/3257/dcrcwe3-3257263.pdf?src-supplier=Avnet, ComponentLink1URL=https://datasheet.ciiva.com/3257/dcrcwe3-3257263.pdf?src-supplier=Avnet, ComponentLink2Description=https://datasheet.ciiva.com/28606/1847332-28606727.pdf?src-supplier=Element14, ComponentLink2URL=https://datasheet.ciiva.com/28606/1847332-28606727.pdf?src-supplier=Element14, ComponentLink3Description=https://datasheet.ciiva.com/7386/1914725-7386263.pdf?src-supplier=Newark, ComponentLink3URL=https://datasheet.ciiva.com/7386/1914725-7386263.pdf?src-supplier=Newark, ComponentLink4Description=https://datasheet.ciiva.com/5545/dcrcwe3-109170-5545756.pdf?src-supplier=Mouser, ComponentLink4URL=https://datasheet.ciiva.com/5545/dcrcwe3-109170-5545756.pdf?src-supplier=Mouser, ComponentLink5Description=https://datasheet.ciiva.com/2462/dcrcwe3-2462337.pdf?src-supplier=Digikey, ComponentLink5URL=https://datasheet.ciiva.com/2462/dcrcwe3-2462337.pdf?src-supplier=Digikey, ComponentLink6Description=https://datasheet.ciiva.com/2462/dcrcwe3-2462338.pdf?src-supplier=Digikey, ComponentLink6URL=https://datasheet.ciiva.com/2462/dcrcwe3-2462338.pdf?src-supplier=Digikey, ComponentLink7Description=https://datasheet.ciiva.com/2462/dcrcwe3-2462339.pdf?src-supplier=Digikey, ComponentLink7URL=https://datasheet.ciiva.com/2462/dcrcwe3-2462339.pdf?src-supplier=Digikey, Lead Free=5697LeadFree, Manufacturer Part Number=CRCW0603220KJNEA, Pricing="1=0,1, 10=0,017, 50=0,017, 100=0,008, 1000=0,006, 10000=0,003 (USD)", RoHS=Yes, Stock=26996, Supplier=Mouser
R87 R88 R89 R90: library part R_510K_%5_1/10W_0603, "SMD Chip Resistor, 510 kOhm, ± 5%, 100 mW, 0603 [1608 Metric], Thick Film, General Purpose", Manufacturer="Vishay Dale", Supplier Part Number=71-CRCW0603J-510K-E3, Category="Chip SMD Resistors", ComponentLink1Description=https://datasheet.ciiva.com/8931/dcrcwe3-8931611.pdf?src-supplier=Avnet, ComponentLink1URL=https://datasheet.ciiva.com/8931/dcrcwe3-8931611.pdf?src-supplier=Avnet, ComponentLink2Description=https://datasheet.ciiva.com/3257/dcrcwe3-3257687.pdf?src-supplier=Avnet, ComponentLink2URL=https://datasheet.ciiva.com/3257/dcrcwe3-3257687.pdf?src-supplier=Avnet, ComponentLink3Description=https://datasheet.ciiva.com/5551/dcrcwe3-109170-5551196.pdf?src-supplier=Mouser, ComponentLink3URL=https://datasheet.ciiva.com/5551/dcrcwe3-109170-5551196.pdf?src-supplier=Mouser, ComponentLink4Description=https://datasheet.ciiva.com/2462/dcrcwe3-2462346.pdf?src-supplier=Digikey, ComponentLink4URL=https://datasheet.ciiva.com/2462/dcrcwe3-2462346.pdf?src-supplier=Digikey, ComponentLink5Description=https://datasheet.ciiva.com/2462/dcrcwe3-2462347.pdf?src-supplier=Digikey, ComponentLink5URL=https://datasheet.ciiva.com/2462/dcrcwe3-2462347.pdf?src-supplier=Digikey, ComponentLink6Description=https://datasheet.ciiva.com/2462/dcrcwe3-2462348.pdf?src-supplier=Digikey, ComponentLink6URL=https://datasheet.ciiva.com/2462/dcrcwe3-2462348.pdf?src-supplier=Digikey, ComponentLink7Description=https://datasheet.ciiva.com/16204/dcrcwe3-16204202.pdf?src-supplier=Future+Electronics, ComponentLink7URL=https://datasheet.ciiva.com/16204/dcrcwe3-16204202.pdf?src-supplier=Future+Electronics, Manufacturer Part Number=CRCW0603510KJNEA, Pricing="1=0,1, 10=0,016, 50=0,016, 100=0,009, 1000=0,007, 10000=0,004 (USD)", RoHS=Yes, Stock=25702, Supplier=Mouser
R93 R108: library part R_100OHM_%1_1/10W_0603, "SMD Chip Resistor, 100 Ohm, ± 1%, 100 mW, 0603 [1608 Metric], Thick Film, General Purpose", Case Code (Metric)=1608, Case Code (Imperial)=0603, Manufacturer="Vishay Dale", Max Operating Temperature=155°C, Max Power Dissipation=100mW, Min Operating Temperature=-55°C, Package Quantity=10, Ratings=AEC-Q200, Resistance Tolerance=1%, Resistor Type="Thick Film", Supplier Part Number=71-CRCW0603-100-E3, Temperature Coefficient=100ppm/°C, Voltage Rating=75V, Case/Package=0603, Category="Chip SMD Resistors", Construction=Rectangular, Depth=0.85mm, Features="Automotive AEC-Q200", Height=0.02inch, Lead Free=5697LeadFree, Length=1.55mm, Manufacturer Part Number=CRCW0603100RFKEA, Military Standard=Not, Number of Terminations=2, Packaging="Tape and Reel", Pins=2NUMBER, Power Rating=100mW, Pricing="1=0,1, 10=0,017, 50=0,017, 100=0,01, 1000=0,007, 10000=0,004 (USD)", Reach SVHC Compliant=Unknown, RoHS=Yes, RoHS Compliant=Yes, Series=CRCW, Stock=279903, Supplier=Mouser, Termination=SMD/SMT, Tolerance=1%, Voltage Rating (DC)=75V, Weight=7.1E-05oz, Width=0.033inch